# EAGLE board working (EAGLE 7.5.0), part 5 of 8
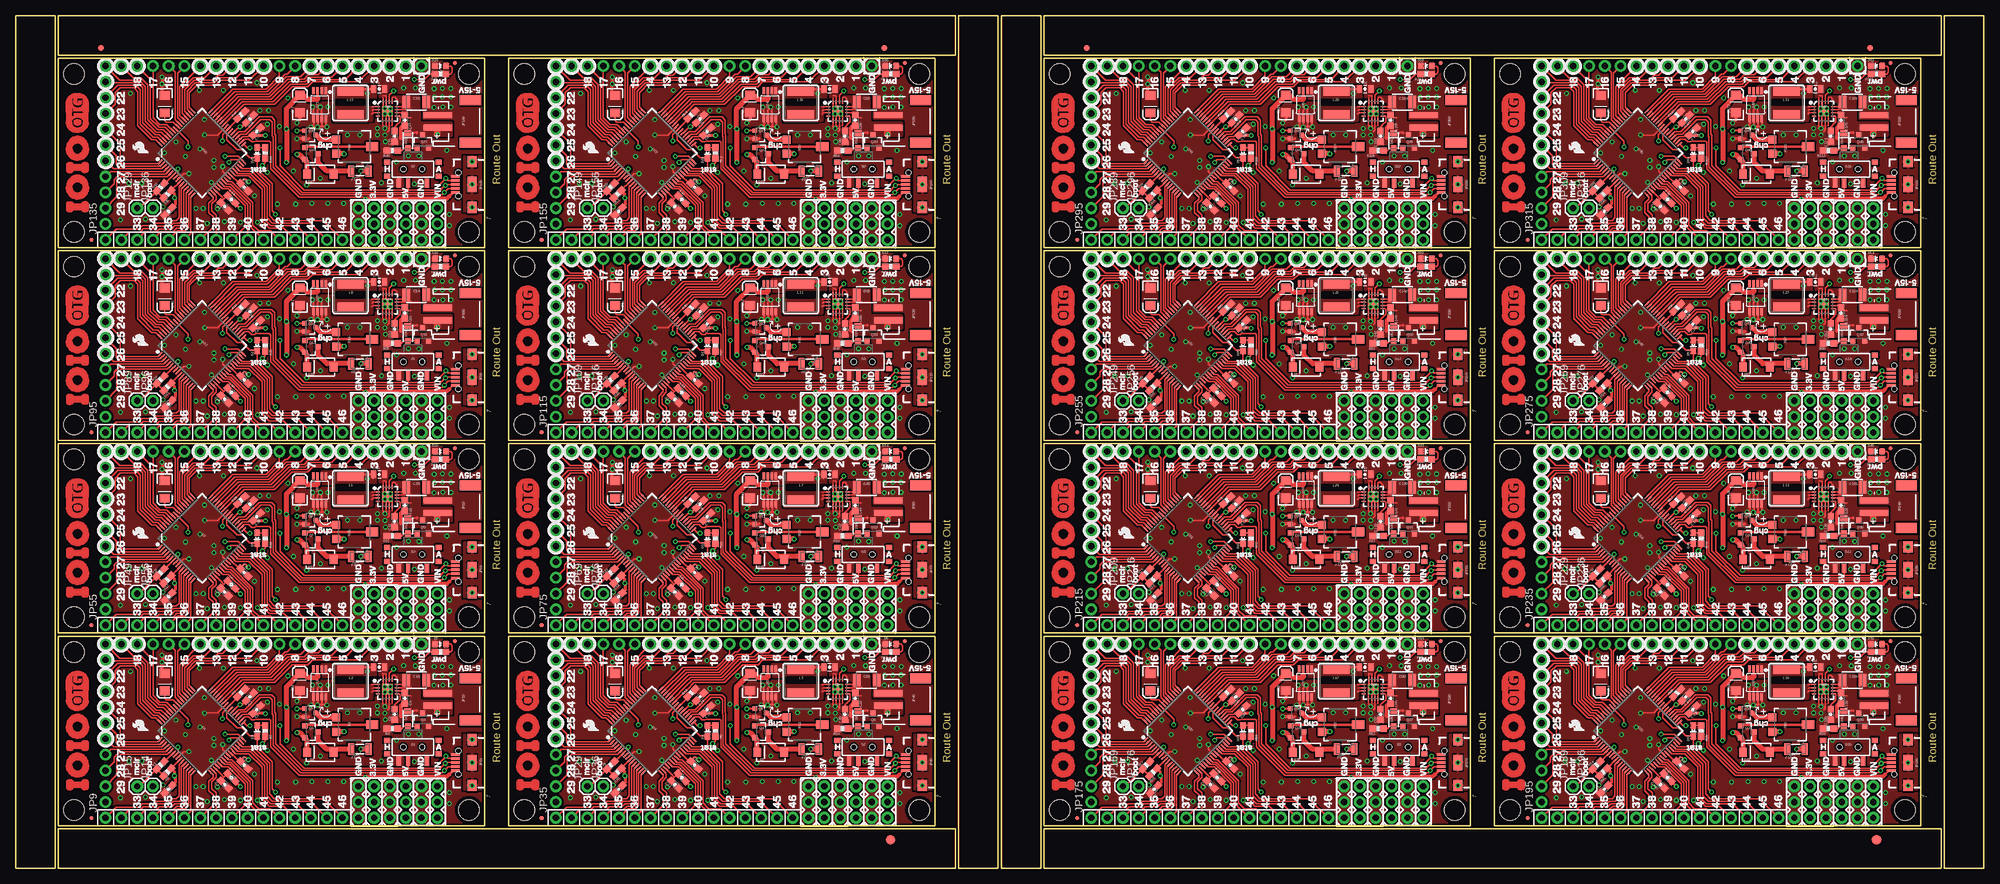
[diagram p0: board, top side]
## Tracks (layer width: path | path; a pad name or v marks a point on that pad's centre or on a via) (continued)
GND4  (via drill 0.38 pad 0.64) (continued)
  Top 0.203: U13.9 26.11,79.83 27.03,80.75 v27.86,80.75 | U13.20 | v31.5,79.35 31.52,79.35 U13.20 | U13.25 33.3,81.1 v33.3,81.86 | U13.41 32.51,86.97 v30.4,86.97 | U13.20 | 61.47,86.03 61.47,85.34 | 59.07,91.53 v59.37,91.23 59.08,91.53 U14.16 | 59.57,92.26 59.57,91.72 U14.15 | 59.57,91.72 59.57,91.26 | 60.57,90.03 v60.26,90.34 | 59.55,89.31 59.55,90.34 59.57,90.36 | 59.95,87.96 59.89,87.96 | U14.8 60.58,90.02 v60.26,90.34 | U14.7 60.08,90.16 v60.26,90.34 | U14.5 59.05,90.02 v59.37,90.34
  Top 0.279: 59.05,93 59.08,92.97 U14.16 | 59.05,93.3 59.07,93.28 59.57,93.28 U14.15 | 60.07,87.7 59.83,87.45 | 59.57,91.42 v59.37,91.23 | 59.57,91.23 v59.37,91.23 | 59.57,91.23 v59.37,91.23 | 59.57,91.26 59.38,91.26 | 59.56,90.34 v59.37,90.34 59.57,90.34 | v59.38,88 arc90 59.55,88.57 | 59.05,89.39 59.05,88.53 arc-90 59.07,88.53 59.07,87.98 59.08,87.97 | 60.07,90.15 v60.26,90.34 | 60.08,89.16 60.08,87.64 | 60.58,89.17 60.58,88.49 | U14.6 59.55,88.33 59.66,88.22
  Top 0.356: v48.51,88.27 48.57,88.32 U15.6 48.57,90.99 v49.02,91.44 49.22,91.24 U15.7 49.22,88.27 49.23,88.27 | U15.8 49.87,88.43 v50.04,88.27 49.23,88.27 | 49.23,88.27 v47.5,88.27 47.92,88.69 U15.5 47.92,91.27 v47.75,91.44
  Top 0.406: 62.5,88.38 C55.2 | 61.89,87.85 62.4,88.36
  Top 0.508: v45.21,86.36 45.23,86.34 Q14.2 47.13,86.34 47.19,86.41 | C51.C 45.72,89.41 v45.21,88.9 | v23.55,96.29 v23.55,95.17 23.55,93.75 C49.C
  Top 0.61: 61.98,86.46 61.98,88.12 62.43,88.57
  other vias: 60.26,91.23 47.68,75.95 50.22,75.95 52.76,75.95 49.02,80.01 53.34,87 55.37,87 67.35,93.05 68.64,93.07 69.98,93.09 58.19,88.04 50.22,91.45 39.27,90.91 68.63,94.44 70.01,94.42 62.41,94.55 64.27,94.55 58.18,86.99 67.29,91.42 69.98,91.44 64.82,83.57 58.8,79.25 40.51,88.7 69.34,84.45 68.68,91.46 61.26,82.63 59.39,86.94 63.14,83.59 64.14,79.12 29.03,75.16 20.9,73.43 23.95,84.1 29.64,84.71 25.78,85.83 27.3,83.49 30.38,89.43 38.79,95.38 29.54,94.16 33.4,94.16 18.47,93.65 16.84,73.33 30.81,72.75 33.6,73.03 36.14,72.92 32.44,75.08 38.43,77.17 45.03,75.84 40.49,80.95 42.09,75.84 43.76,92.94 42.44,88.37 46.81,78.92 44.68,81.15 38.89,72.92 30.18,75.16 18.26,79.22 31.88,81.76 31.88,82.88 23.73,75.38 20.29,79.22 40.69,90.91 69.77,74.17 69.77,72.39 59.46,85.89 67.3,94.4
  pour Top (isolate 0.254, rank 6, no thermals): 65.52,89.62 65.41,92.58 61.47,93.2 61.47,94.34 58.55,94.34 58.55,99.31 75.44,99.31 75.44,89.66
  pour Top (isolate 0.152, no thermals): 58.55,95.12 58.55,91.93 58.93,91.93 58.93,88.75 56.9,88.75 56.9,86.61 60.83,86.61 60.83,91.8 59.82,91.8 59.82,95.12
  pour Top (isolate 0.152, no thermals): 58.55,95.12 58.55,91.93 58.93,91.93 58.93,88.75 56.9,88.75 56.9,86.61 60.83,86.61 60.83,91.8 59.82,91.8 59.82,95.12
  pour Top (isolate 0.305, rank 6, no thermals): 13.77,99.31 75.44,99.31 75.44,68.83 13.77,68.83
  pour Bottom (isolate 0.305, rank 6, no thermals): 13.77,99.31 75.44,99.31 75.44,68.83 13.77,68.83
GND5  (via drill 0.38 pad 0.64)
  Top 0.203: U16.9 98.5,79.83 99.42,80.75 v100.25,80.75 | U16.20 | v103.89,79.35 103.91,79.35 U16.20 | U16.25 105.69,81.1 v105.69,81.86 | U16.41 104.9,86.97 v102.79,86.97 | U16.20 | 133.86,86.03 133.86,85.34 | 131.46,91.53 v131.76,91.23 131.47,91.53 U17.16 | 131.96,92.26 131.96,91.72 U17.15 | 131.96,91.72 131.96,91.26 | 132.96,90.03 v132.65,90.34 | 131.94,89.31 131.94,90.34 131.96,90.36 | 132.34,87.96 132.28,87.96 | U17.8 132.97,90.02 v132.65,90.34 | U17.7 132.47,90.16 v132.65,90.34 | U17.5 131.44,90.02 v131.76,90.34
  Top 0.279: 131.44,93 131.47,92.97 U17.16 | 131.44,93.3 131.46,93.28 131.96,93.28 U17.15 | 132.46,87.7 132.22,87.45 | 131.96,91.42 v131.76,91.23 | 131.96,91.23 v131.76,91.23 | 131.96,91.23 v131.76,91.23 | 131.96,91.26 131.77,91.26 | 131.95,90.34 v131.76,90.34 131.96,90.34 | v131.77,88 arc90 131.94,88.57 | 131.44,89.39 131.44,88.53 arc-90 131.46,88.53 131.46,87.98 131.47,87.97 | 132.46,90.15 v132.65,90.34 | 132.47,89.16 132.47,87.64 | 132.97,89.17 132.97,88.49 | U17.6 131.94,88.33 132.06,88.22
  Top 0.356: v120.9,88.27 120.96,88.32 U18.6 120.96,90.99 v121.41,91.44 121.61,91.24 U18.7 121.61,88.27 | U18.8 122.26,88.43 v122.43,88.27 121.61,88.27 | 121.61,88.27 v119.89,88.27 120.31,88.69 U18.5 120.31,91.27 v120.14,91.44
  Top 0.406: 134.89,88.38 C66.2 | 134.28,87.85 134.78,88.36
  Top 0.508: v117.6,86.36 117.62,86.34 Q17.2 119.52,86.34 119.58,86.41 | C62.C 118.11,89.41 v117.6,88.9 | v95.94,96.29 v95.94,95.17 95.94,93.75 C60.C
  Top 0.61: 134.37,86.46 134.37,88.12 134.82,88.57
  other vias: 132.65,91.23 120.07,75.95 122.61,75.95 125.15,75.95 121.41,80.01 125.73,87 127.76,87 139.74,93.05 141.03,93.07 142.37,93.09 130.58,88.04 122.61,91.45 111.66,90.91 141.02,94.44 142.4,94.42 134.8,94.55 136.66,94.55 130.57,86.99 139.68,91.42 142.37,91.44 137.21,83.57 131.19,79.25 112.9,88.7 141.73,84.45 141.07,91.46 133.65,82.63 131.78,86.94 135.53,83.59 136.53,79.12 101.42,75.16 93.29,73.43 96.34,84.1 102.03,84.71 98.17,85.83 99.69,83.49 102.77,89.43 111.18,95.38 101.93,94.16 105.79,94.16 90.86,93.65 89.23,73.33 103.2,72.75 105.99,73.03 108.53,72.92 104.83,75.08 110.82,77.17 117.42,75.84 112.88,80.95 114.48,75.84 116.15,92.94 114.83,88.37 119.2,78.92 117.07,81.15 111.28,72.92 102.57,75.16 90.65,79.22 104.27,81.76 104.27,82.88 96.12,75.38 92.68,79.22 113.08,90.91 142.16,74.17 142.16,72.39 131.85,85.89 139.69,94.4
  pour Top (isolate 0.254, rank 6, no thermals): 137.91,89.62 137.79,92.58 133.86,93.2 133.86,94.34 130.94,94.34 130.94,99.31 147.83,99.31 147.83,89.66
  pour Top (isolate 0.152, no thermals): 130.94,95.12 130.94,91.93 131.32,91.93 131.32,88.75 129.29,88.75 129.29,86.61 133.22,86.61 133.22,91.8 132.21,91.8 132.21,95.12
  pour Top (isolate 0.152, no thermals): 130.94,95.12 130.94,91.93 131.32,91.93 131.32,88.75 129.29,88.75 129.29,86.61 133.22,86.61 133.22,91.8 132.21,91.8 132.21,95.12
  pour Top (isolate 0.305, rank 6, no thermals): 86.16,99.31 147.83,99.31 147.83,68.83 86.16,68.83
  pour Bottom (isolate 0.305, rank 6, no thermals): 86.16,99.31 147.83,99.31 147.83,68.83 86.16,68.83
GND6  (via drill 0.38 pad 0.64)
  Top 0.203: U19.9 26.11,110.82 27.03,111.73 v27.86,111.73 | U19.20 | v31.5,110.34 31.52,110.34 U19.20 | U19.25 33.3,112.09 v33.3,112.85 | U19.41 32.51,117.96 v30.4,117.96 | U19.20 | 61.47,117.01 61.47,116.33 | 59.07,122.52 v59.37,122.22 59.08,122.52 U20.16 | 59.57,123.25 59.57,122.7 59.57,122.71 U20.15 | 59.57,122.7 59.57,122.25 | 60.57,121.02 v60.26,121.33 | 59.55,120.3 59.55,121.33 59.57,121.34 | 59.95,118.95 59.89,118.95 | U20.8 60.58,121.01 v60.26,121.33 | U20.7 60.08,121.15 v60.26,121.33 | U20.5 59.05,121.01 v59.37,121.33
  Top 0.279: 59.05,123.98 59.08,123.96 U20.16 | 59.05,124.29 59.07,124.27 59.57,124.27 U20.15 | 60.07,118.69 59.83,118.44 | 59.57,122.41 v59.37,122.22 | 59.57,122.22 v59.37,122.22 | 59.57,122.22 v59.37,122.22 | 59.57,122.25 59.38,122.25 | 59.56,121.33 v59.37,121.33 59.57,121.33 | v59.38,118.99 arc90 59.55,119.56 | 59.05,120.38 59.05,119.52 arc-90 59.07,119.51 59.07,118.97 59.08,118.96 | 60.07,121.13 v60.26,121.33 | 60.08,120.14 60.08,118.63 | 60.58,120.16 60.58,119.48 | U20.6 59.55,119.32 59.66,119.21
  Top 0.356: v48.51,119.25 48.57,119.31 U21.6 48.57,121.98 v49.02,122.43 49.22,122.23 U21.7 49.22,119.26 49.23,119.25 | U21.8 49.87,119.42 v50.04,119.25 49.23,119.25 | 49.23,119.25 v47.5,119.25 47.92,119.67 U21.5 47.92,122.26 v47.75,122.43
  Top 0.406: 62.5,119.37 C77.2 | 61.89,118.84 62.4,119.34
  Top 0.508: v45.21,117.35 45.23,117.33 Q20.2 47.13,117.33 47.19,117.4 | C73.C 45.72,120.4 v45.21,119.89 | v23.55,127.28 v23.55,126.16 23.55,124.74 C71.C
  Top 0.61: 61.98,117.45 61.98,119.11 62.43,119.56
  other vias: 60.26,122.22 47.68,106.93 50.22,106.93 52.76,106.93 49.02,111 53.34,117.98 55.37,117.98 67.35,124.04 68.64,124.06 69.98,124.08 58.19,119.03 50.22,122.44 39.27,121.89 68.63,125.43 70.01,125.4 62.41,125.54 64.27,125.53 58.18,117.98 67.29,122.41 69.98,122.43 64.82,114.55 58.8,110.24 40.51,119.68 69.34,115.44 68.68,122.45 61.26,113.61 59.39,117.93 63.14,114.58 64.14,110.11 29.03,106.15 20.9,104.42 23.95,115.09 29.64,115.7 25.78,116.81 27.3,114.48 30.38,120.42 38.79,126.36 29.54,125.15 33.4,125.15 18.47,124.64 16.84,104.32 30.81,103.73 33.6,104.01 36.14,103.91 32.44,106.07 38.43,108.15 45.03,106.83 40.49,111.94 42.09,106.83 43.76,123.93 42.44,119.35 46.81,109.91 44.68,112.14 38.89,103.91 30.18,106.15 18.26,110.21 31.88,112.75 31.88,113.87 23.73,106.37 20.29,110.21 40.69,121.89 69.77,105.16 69.77,103.38 59.46,116.88 67.3,125.39
  pour Top (isolate 0.254, rank 6, no thermals): 65.52,120.61 65.41,123.57 61.47,124.19 61.47,125.33 58.55,125.33 58.55,130.3 75.44,130.3 75.44,120.65
  pour Top (isolate 0.152, no thermals): 58.55,126.11 58.55,122.92 58.93,122.92 58.93,119.74 56.9,119.74 56.9,117.6 60.83,117.6 60.83,122.79 59.82,122.79 59.82,126.11
  pour Top (isolate 0.152, no thermals): 58.55,126.11 58.55,122.92 58.93,122.92 58.93,119.74 56.9,119.74 56.9,117.6 60.83,117.6 60.83,122.79 59.82,122.79 59.82,126.11
  pour Top (isolate 0.305, rank 6, no thermals): 13.77,130.3 75.44,130.3 75.44,99.82 13.77,99.82
  pour Bottom (isolate 0.305, rank 6, no thermals): 13.77,130.3 75.44,130.3 75.44,99.82 13.77,99.82
GND7  (via drill 0.38 pad 0.64)
  Top 0.203: U22.9 98.5,110.82 99.42,111.73 v100.25,111.73 | U22.20 | v103.89,110.34 103.91,110.34 U22.20 | U22.25 105.69,112.09 v105.69,112.85 | U22.41 104.9,117.96 v102.79,117.96 | U22.20 | 133.86,117.01 133.86,116.33 | 131.46,122.52 v131.76,122.22 131.47,122.52 U23.16 | 131.96,123.25 131.96,122.7 131.96,122.71 U23.15 | 131.96,122.7 131.96,122.25 | 132.96,121.02 v132.65,121.33 | 131.94,120.3 131.94,121.33 131.96,121.34 | 132.34,118.95 132.28,118.95 | U23.8 132.97,121.01 v132.65,121.33 | U23.7 132.47,121.15 v132.65,121.33 | U23.5 131.44,121.01 v131.76,121.33
  Top 0.279: 131.44,123.98 131.47,123.96 U23.16 | 131.44,124.29 131.46,124.27 131.96,124.27 U23.15 | 132.46,118.69 132.22,118.44 | 131.96,122.41 v131.76,122.22 | 131.96,122.22 v131.76,122.22 | 131.96,122.22 v131.76,122.22 | 131.96,122.25 131.77,122.25 | 131.95,121.33 v131.76,121.33 131.96,121.33 | v131.77,118.99 arc90 131.94,119.56 | 131.44,120.38 131.44,119.52 arc-90 131.46,119.51 131.46,118.97 131.47,118.96 | 132.46,121.13 v132.65,121.33 | 132.47,120.14 132.47,118.63 | 132.97,120.16 132.97,119.48 | U23.6 131.94,119.32 132.06,119.21
  Top 0.356: v120.9,119.25 120.96,119.31 U24.6 120.96,121.98 v121.41,122.43 121.61,122.23 U24.7 121.61,119.26 121.61,119.25 | U24.8 122.26,119.42 v122.43,119.25 121.61,119.25 | 121.61,119.25 v119.89,119.25 120.31,119.67 U24.5 120.31,122.26 v120.14,122.43
  Top 0.406: 134.89,119.37 C88.2 | 134.28,118.84 134.78,119.34
  Top 0.508: v117.6,117.35 117.62,117.33 Q23.2 119.52,117.33 119.58,117.4 | C84.C 118.11,120.4 v117.6,119.89 | v95.94,127.28 v95.94,126.16 95.94,124.74 C82.C
  Top 0.61: 134.37,117.45 134.37,119.11 134.82,119.56
  other vias: 132.65,122.22 120.07,106.93 122.61,106.93 125.15,106.93 121.41,111 125.73,117.98 127.76,117.98 139.74,124.04 141.03,124.06 142.37,124.08 130.58,119.03 122.61,122.44 111.66,121.89 141.02,125.43 142.4,125.4 134.8,125.54 136.66,125.53 130.57,117.98 139.68,122.41 142.37,122.43 137.21,114.55 131.19,110.24 112.9,119.68 141.73,115.44 141.07,122.45 133.65,113.61 131.78,117.93 135.53,114.58 136.53,110.11 101.42,106.15 93.29,104.42 96.34,115.09 102.03,115.7 98.17,116.81 99.69,114.48 102.77,120.42 111.18,126.36 101.93,125.15 105.79,125.15 90.86,124.64 89.23,104.32 103.2,103.73 105.99,104.01 108.53,103.91 104.83,106.07 110.82,108.15 117.42,106.83 112.88,111.94 114.48,106.83 116.15,123.93 114.83,119.35 119.2,109.91 117.07,112.14 111.28,103.91 102.57,106.15 90.65,110.21 104.27,112.75 104.27,113.87 96.12,106.37 92.68,110.21 113.08,121.89 142.16,105.16 142.16,103.38 131.85,116.88 139.69,125.39
  pour Top (isolate 0.254, rank 6, no thermals): 137.91,120.61 137.79,123.57 133.86,124.19 133.86,125.33 130.94,125.33 130.94,130.3 147.83,130.3 147.83,120.65
  pour Top (isolate 0.152, no thermals): 130.94,126.11 130.94,122.92 131.32,122.92 131.32,119.74 129.29,119.74 129.29,117.6 133.22,117.6 133.22,122.79 132.21,122.79 132.21,126.11
  pour Top (isolate 0.152, no thermals): 130.94,126.11 130.94,122.92 131.32,122.92 131.32,119.74 129.29,119.74 129.29,117.6 133.22,117.6 133.22,122.79 132.21,122.79 132.21,126.11
  pour Top (isolate 0.305, rank 6, no thermals): 86.16,130.3 147.83,130.3 147.83,99.82 86.16,99.82
  pour Bottom (isolate 0.305, rank 6, no thermals): 86.16,130.3 147.83,130.3 147.83,99.82 86.16,99.82
GND8  (via drill 0.38 pad 0.64)
  Top 0.203: U25.9 184.61,17.86 185.52,18.77 v186.36,18.77 | U25.20 | v189.99,17.37 190.02,17.37 U25.20 | U25.25 191.79,19.12 v191.79,19.89 | U25.41 191.01,24.99 v188.9,24.99 | U25.20 | 219.96,24.05 219.96,23.37 | 217.56,29.56 v217.87,29.25 217.57,29.55 U26.16 | 218.06,30.28 218.06,29.74 218.07,29.75 U26.15 | 218.06,29.74 218.06,29.28 | 219.06,28.06 v218.76,28.36 | 218.05,27.33 218.05,28.37 218.06,28.38 | 218.44,25.98 218.39,25.98 | U26.8 219.08,28.05 v218.76,28.36 | U26.7 218.58,28.18 v218.76,28.36 | U26.5 217.55,28.04 v217.87,28.36
  Top 0.279: 217.54,31.02 217.57,30.99 U26.16 | 217.55,31.32 217.56,31.31 218.06,31.31 218.07,31.31 U26.15 | 218.56,25.72 218.32,25.48 | 218.06,29.45 v217.87,29.25 | 218.06,29.25 v217.87,29.25 | 218.06,29.25 v217.87,29.25 | 218.06,29.28 217.87,29.28 | 218.06,28.36 v217.87,28.36 218.06,28.36 | v217.87,26.02 arc90 218.05,26.59 | 217.55,27.42 217.55,26.55 arc-90 217.56,26.55 217.56,26 217.57,25.99 | 218.56,28.17 v218.76,28.36 | 218.58,27.18 218.58,25.67 | 219.07,27.19 219.07,26.52 | U26.6 218.05,26.36 218.16,26.25
  Top 0.356: v207.01,26.29 207.07,26.34 U27.6 207.07,29.01 v207.52,29.46 207.72,29.27 U27.7 207.72,26.29 | U27.8 208.37,26.46 v208.53,26.29 207.72,26.29 | 207.72,26.29 v205.99,26.29 206.42,26.71 U27.5 206.42,29.3 v206.25,29.46
  Top 0.406: 221,26.4 C99.2 | 220.39,25.88 220.89,26.38
  Top 0.508: v203.71,24.38 203.72,24.37 Q26.2 205.62,24.37 205.69,24.43 | C95.C 204.22,27.43 v203.71,26.92 | v182.04,34.31 v182.04,33.2 182.04,31.78 C93.C
  Top 0.61: 220.47,24.49 220.47,26.15 220.92,26.6
  other vias: 218.76,29.25 206.17,13.97 208.71,13.97 211.25,13.97 207.52,18.03 211.84,25.02 213.87,25.02 225.85,31.07 227.14,31.09 228.47,31.11 216.69,26.07 208.71,29.47 197.76,28.93 227.13,32.47 228.51,32.44 220.9,32.58 222.77,32.57 216.68,25.01 225.79,29.44 228.47,29.46 223.32,21.59 217.3,17.27 199.01,26.72 227.84,22.48 227.18,29.48 219.76,20.65 217.88,24.96 221.64,21.62 222.63,17.14 187.53,13.18 179.4,11.46 182.45,22.12 188.14,22.73 184.28,23.85 185.8,21.51 188.87,27.46 197.28,33.4 188.04,32.18 191.9,32.18 176.96,31.67 175.34,11.35 189.31,10.77 192.1,11.05 194.64,10.95 190.93,13.11 196.93,15.19 203.53,13.87 198.98,18.97 200.58,13.87 202.26,30.96 200.94,26.39 205.31,16.94 203.17,19.18 197.38,10.95 188.67,13.18 176.76,17.25 190.37,19.79 190.37,20.9 182.23,13.41 178.79,17.25 199.19,28.93 228.27,12.19 228.27,10.41 217.96,23.91 225.8,32.43
  pour Top (isolate 0.254, rank 6, no thermals): 224.02,27.64 223.9,30.61 219.96,31.22 219.96,32.36 217.04,32.36 217.04,37.34 233.93,37.34 233.93,27.69
  pour Top (isolate 0.152, no thermals): 217.04,33.15 217.04,29.95 217.42,29.95 217.42,26.78 215.39,26.78 215.39,24.64 219.33,24.64 219.33,29.82 218.31,29.82 218.31,33.15
  pour Top (isolate 0.152, no thermals): 217.04,33.15 217.04,29.95 217.42,29.95 217.42,26.78 215.39,26.78 215.39,24.64 219.33,24.64 219.33,29.82 218.31,29.82 218.31,33.15
  pour Top (isolate 0.305, rank 6, no thermals): 172.26,37.34 233.93,37.34 233.93,6.86 172.26,6.86
  pour Bottom (isolate 0.305, rank 6, no thermals): 172.26,37.34 233.93,37.34 233.93,6.86 172.26,6.86
GND9  (via drill 0.38 pad 0.64)
  Top 0.203: U28.9 257,17.86 257.91,18.77 v258.75,18.77 | U28.20 | v262.38,17.37 262.41,17.37 U28.20 | U28.25 264.19,19.12 v264.19,19.89 | U28.41 263.4,24.99 v261.29,24.99 | U28.20 | 292.35,24.05 292.35,23.37 | 289.95,29.56 v290.26,29.25 289.96,29.55 U29.16 | 290.45,30.28 290.45,29.74 290.46,29.75 U29.15 | 290.45,29.74 290.45,29.28 | 291.45,28.06 v291.15,28.36 | 290.44,27.33 290.44,28.37 290.45,28.38 | 290.83,25.98 290.78,25.98 | U29.8 291.47,28.05 v291.15,28.36 | U29.7 290.97,28.18 v291.15,28.36 | U29.5 289.94,28.04 v290.26,28.36
  Top 0.279: 289.93,31.02 289.96,30.99 U29.16 | 289.94,31.32 289.95,31.31 290.45,31.31 290.46,31.31 U29.15 | 290.95,25.72 290.71,25.48 | 290.45,29.45 v290.26,29.25 | 290.45,29.25 v290.26,29.25 | 290.45,29.25 v290.26,29.25 | 290.45,29.28 290.26,29.28 | 290.45,28.36 v290.26,28.36 290.45,28.36 | v290.26,26.02 arc90 290.44,26.59 | 289.94,27.42 289.94,26.55 arc-90 289.95,26.55 289.95,26 289.96,25.99 | 290.95,28.17 v291.15,28.36 | 290.97,27.18 290.97,25.67 | 291.46,27.19 291.46,26.52 | U29.6 290.44,26.36 290.55,26.25
  Top 0.356: v279.4,26.29 279.46,26.34 U30.6 279.46,29.01 v279.91,29.46 280.11,29.27 U30.7 280.11,26.29 | U30.8 280.76,26.46 v280.92,26.29 280.11,26.29 | 280.11,26.29 v278.38,26.29 278.81,26.71 U30.5 278.81,29.3 v278.64,29.46
  Top 0.406: 293.39,26.4 C110.2 | 292.78,25.88 293.28,26.38
  Top 0.508: v276.1,24.38 276.11,24.37 Q29.2 278.01,24.37 278.08,24.43 | C106.C 276.61,27.43 v276.1,26.92 | v254.43,34.31 v254.43,33.2 254.43,31.78 C104.C
  Top 0.61: 292.87,24.49 292.87,26.15 293.31,26.6
  other vias: 291.15,29.25 278.56,13.97 281.1,13.97 283.64,13.97 279.91,18.03 284.23,25.02 286.26,25.02 298.24,31.07 299.53,31.09 300.86,31.11 289.08,26.07 281.1,29.47 270.15,28.93 299.52,32.47 300.9,32.44 293.29,32.58 295.16,32.57 289.07,25.01 298.18,29.44 300.86,29.46 295.71,21.59 289.69,17.27 271.4,26.72 300.23,22.48 299.57,29.48 292.15,20.65 290.27,24.96 294.03,21.62 295.02,17.14 259.92,13.18 251.79,11.46 254.84,22.12 260.53,22.73 256.67,23.85 258.19,21.51 261.26,27.46 269.67,33.4 260.43,32.18 264.29,32.18 249.35,31.67 247.73,11.35 261.7,10.77 264.49,11.05 267.03,10.95 263.32,13.11 269.32,15.19 275.92,13.87 271.37,18.97 272.97,13.87 274.65,30.96 273.33,26.39 277.7,16.94 275.56,19.18 269.77,10.95 261.06,13.18 249.15,17.25 262.76,19.79 262.76,20.9 254.62,13.41 251.18,17.25 271.58,28.93 300.66,12.19 300.66,10.41 290.35,23.91 298.19,32.43
  pour Top (isolate 0.254, rank 6, no thermals): 296.41,27.64 296.29,30.61 292.35,31.22 292.35,32.36 289.43,32.36 289.43,37.34 306.32,37.34 306.32,27.69
  pour Top (isolate 0.152, no thermals): 289.43,33.15 289.43,29.95 289.81,29.95 289.81,26.78 287.78,26.78 287.78,24.64 291.72,24.64 291.72,29.82 290.7,29.82 290.7,33.15
  pour Top (isolate 0.152, no thermals): 289.43,33.15 289.43,29.95 289.81,29.95 289.81,26.78 287.78,26.78 287.78,24.64 291.72,24.64 291.72,29.82 290.7,29.82 290.7,33.15
  pour Top (isolate 0.305, rank 6, no thermals): 244.65,37.34 306.32,37.34 306.32,6.86 244.65,6.86
  pour Bottom (isolate 0.305, rank 6, no thermals): 244.65,37.34 306.32,37.34 306.32,6.86 244.65,6.86
GND10  (via drill 0.38 pad 0.64)
  Top 0.203: U31.9 184.61,48.84 185.52,49.76 v186.36,49.76 | U31.20 | v189.99,48.36 190.02,48.36 U31.20 | U31.25 191.79,50.11 v191.79,50.88 | U31.41 191.01,55.98 v188.9,55.98 | U31.20 | 219.96,55.04 219.96,54.36 | 217.56,60.55 v217.87,60.24 217.57,60.54 U32.16 | 218.06,61.27 218.06,60.73 218.07,60.73 U32.15 | 218.06,60.73 218.06,60.27 | 219.06,59.05 v218.76,59.35 | 218.05,58.32 218.05,59.35 218.06,59.37 | 218.44,56.97 218.39,56.97 | U32.8 219.08,59.03 v218.76,59.35 | U32.7 218.58,59.17 v218.76,59.35 | U32.5 217.55,59.03 v217.87,59.35
  Top 0.279: 217.54,62.01 217.57,61.98 U32.16 | 217.55,62.31 217.56,62.3 218.06,62.3 218.07,62.29 U32.15 | 218.56,56.71 218.32,56.47 | 218.06,60.44 v217.87,60.24 | 218.06,60.24 v217.87,60.24 | 218.06,60.24 v217.87,60.24 | 218.06,60.27 217.87,60.27 | 218.06,59.35 v217.87,59.35 218.06,59.35 | v217.87,57.01 arc90 218.05,57.58 | 217.55,58.41 217.55,57.54 arc-90 217.56,57.54 217.56,56.99 217.57,56.98 | 218.56,59.16 v218.76,59.35 | 218.58,58.17 218.58,56.66 | 219.07,58.18 219.07,57.5 | U32.6 218.05,57.35 218.16,57.23
  Top 0.356: v207.01,57.28 207.07,57.33 U33.6 207.07,60 v207.52,60.45 207.72,60.25 U33.7 207.72,57.28 | U33.8 208.37,57.45 v208.53,57.28 207.72,57.28 | 207.72,57.28 v205.99,57.28 206.42,57.7 U33.5 206.42,60.28 v206.25,60.45
  Top 0.406: 221,57.39 C121.2 | 220.39,56.86 220.89,57.37
  Top 0.508: v203.71,55.37 203.72,55.36 Q32.2 205.62,55.36 205.69,55.42 | C117.C 204.22,58.42 v203.71,57.91 | v182.04,65.3 v182.04,64.19 182.04,62.77 C115.C
  Top 0.61: 220.47,55.47 220.47,57.14 220.92,57.58
  other vias: 218.76,60.24 206.17,44.96 208.71,44.96 211.25,44.96 207.52,49.02 211.84,56.01 213.87,56.01 225.85,62.06 227.14,62.08 228.47,62.1 216.69,57.06 208.71,60.46 197.76,59.92 227.13,63.45 228.51,63.43 220.9,63.57 222.77,63.56 216.68,56 225.79,60.43 228.47,60.45 223.32,52.58 217.3,48.26 199.01,57.71 227.84,53.47 227.18,60.47 219.76,51.64 217.88,55.95 221.64,52.6 222.63,48.13 187.53,44.17 179.4,42.44 182.45,53.11 188.14,53.72 184.28,54.84 185.8,52.5 188.87,58.45 197.28,64.39 188.04,63.17 191.9,63.17 176.96,62.66 175.34,42.34 189.31,41.76 192.1,42.04 194.64,41.94 190.93,44.09 196.93,46.18 203.53,44.86 198.98,49.96 200.58,44.86 202.26,61.95 200.94,57.38 205.31,47.93 203.17,50.16 197.38,41.94 188.67,44.17 176.76,48.23 190.37,50.77 190.37,51.89 182.23,44.39 178.79,48.23 199.19,59.92 228.27,43.18 228.27,41.4 217.96,54.9 225.8,63.42
  pour Top (isolate 0.254, rank 6, no thermals): 224.02,58.63 223.9,61.59 219.96,62.21 219.96,63.35 217.04,63.35 217.04,68.33 233.93,68.33 233.93,58.67
  pour Top (isolate 0.152, no thermals): 217.04,64.14 217.04,60.94 217.42,60.94 217.42,57.76 215.39,57.76 215.39,55.63 219.33,55.63 219.33,60.81 218.31,60.81 218.31,64.14
  pour Top (isolate 0.152, no thermals): 217.04,64.14 217.04,60.94 217.42,60.94 217.42,57.76 215.39,57.76 215.39,55.63 219.33,55.63 219.33,60.81 218.31,60.81 218.31,64.14
  pour Top (isolate 0.305, rank 6, no thermals): 172.26,68.33 233.93,68.33 233.93,37.85 172.26,37.85
  pour Bottom (isolate 0.305, rank 6, no thermals): 172.26,68.33 233.93,68.33 233.93,37.85 172.26,37.85
GND11  (via drill 0.38 pad 0.64)
  Top 0.203: U34.9 257,48.84 257.91,49.76 v258.75,49.76 | U34.20 | v262.38,48.36 262.41,48.36 U34.20 | U34.25 264.19,50.11 v264.19,50.88 | U34.41 263.4,55.98 v261.29,55.98 | U34.20 | 292.35,55.04 292.35,54.36 | 289.95,60.55 v290.26,60.24 289.96,60.54 U35.16 | 290.45,61.27 290.45,60.73 290.46,60.73 U35.15 | 290.45,60.73 290.45,60.27 | 291.45,59.05 v291.15,59.35 | 290.44,58.32 290.44,59.35 290.45,59.37 | 290.83,56.97 290.78,56.97 | U35.8 291.47,59.03 v291.15,59.35 | U35.7 290.97,59.17 v291.15,59.35 | U35.5 289.94,59.03 v290.26,59.35
  Top 0.279: 289.93,62.01 289.96,61.98 U35.16 | 289.94,62.31 289.95,62.3 290.45,62.3 290.46,62.29 U35.15 | 290.95,56.71 290.71,56.47 | 290.45,60.44 v290.26,60.24 | 290.45,60.24 v290.26,60.24 | 290.45,60.24 v290.26,60.24 | 290.45,60.27 290.26,60.27 | 290.45,59.35 v290.26,59.35 290.45,59.35 | v290.26,57.01 arc90 290.44,57.58 | 289.94,58.41 289.94,57.54 arc-90 289.95,57.54 289.95,56.99 289.96,56.98 | 290.95,59.16 v291.15,59.35 | 290.97,58.17 290.97,56.66 | 291.46,58.18 291.46,57.5 | U35.6 290.44,57.35 290.55,57.23
  Top 0.356: v279.4,57.28 279.46,57.33 U36.6 279.46,60 v279.91,60.45 280.11,60.25 U36.7 280.11,57.28 | U36.8 280.76,57.45 v280.92,57.28 280.11,57.28 | 280.11,57.28 v278.38,57.28 278.81,57.7 U36.5 278.81,60.28 v278.64,60.45
  Top 0.406: 293.39,57.39 C132.2 | 292.78,56.86 293.28,57.37
  Top 0.508: v276.1,55.37 276.11,55.36 Q35.2 278.01,55.36 278.08,55.42 | C128.C 276.61,58.42 v276.1,57.91 | v254.43,65.3 v254.43,64.19 254.43,62.77 C126.C
  Top 0.61: 292.87,55.47 292.87,57.14 293.31,57.58
  other vias: 291.15,60.24 278.56,44.96 281.1,44.96 283.64,44.96 279.91,49.02 284.23,56.01 286.26,56.01 298.24,62.06 299.53,62.08 300.86,62.1 289.08,57.06 281.1,60.46 270.15,59.92 299.52,63.45 300.9,63.43 293.29,63.57 295.16,63.56 289.07,56 298.18,60.43 300.86,60.45 295.71,52.58 289.69,48.26 271.4,57.71 300.23,53.47 299.57,60.47 292.15,51.64 290.27,55.95 294.03,52.6 295.02,48.13 259.92,44.17 251.79,42.44 254.84,53.11 260.53,53.72 256.67,54.84 258.19,52.5 261.26,58.45 269.67,64.39 260.43,63.17 264.29,63.17 249.35,62.66 247.73,42.34 261.7,41.76 264.49,42.04 267.03,41.94 263.32,44.09 269.32,46.18 275.92,44.86 271.37,49.96 272.97,44.86 274.65,61.95 273.33,57.38 277.7,47.93 275.56,50.16 269.77,41.94 261.06,44.17 249.15,48.23 262.76,50.77 262.76,51.89 254.62,44.39 251.18,48.23 271.58,59.92 300.66,43.18 300.66,41.4 290.35,54.9 298.19,63.42
  pour Top (isolate 0.254, rank 6, no thermals): 296.41,58.63 296.29,61.59 292.35,62.21 292.35,63.35 289.43,63.35 289.43,68.33 306.32,68.33 306.32,58.67
  pour Top (isolate 0.152, no thermals): 289.43,64.14 289.43,60.94 289.81,60.94 289.81,57.76 287.78,57.76 287.78,55.63 291.72,55.63 291.72,60.81 290.7,60.81 290.7,64.14
  pour Top (isolate 0.152, no thermals): 289.43,64.14 289.43,60.94 289.81,60.94 289.81,57.76 287.78,57.76 287.78,55.63 291.72,55.63 291.72,60.81 290.7,60.81 290.7,64.14
  pour Top (isolate 0.305, rank 6, no thermals): 244.65,68.33 306.32,68.33 306.32,37.85 244.65,37.85